# Altium PCB target_LED_ring_5050.PcbDoc
Units mm, origin at the board's own origin, x right, y up, seen from the top; angles counter-clockwise.
Board outline 100 x 100 mm, 2 copper layers (Top Layer, Bottom Layer); 77 components, 38 nets, 232 pads, 200 vias.
Unrouted connection lines stored in the file: 31.
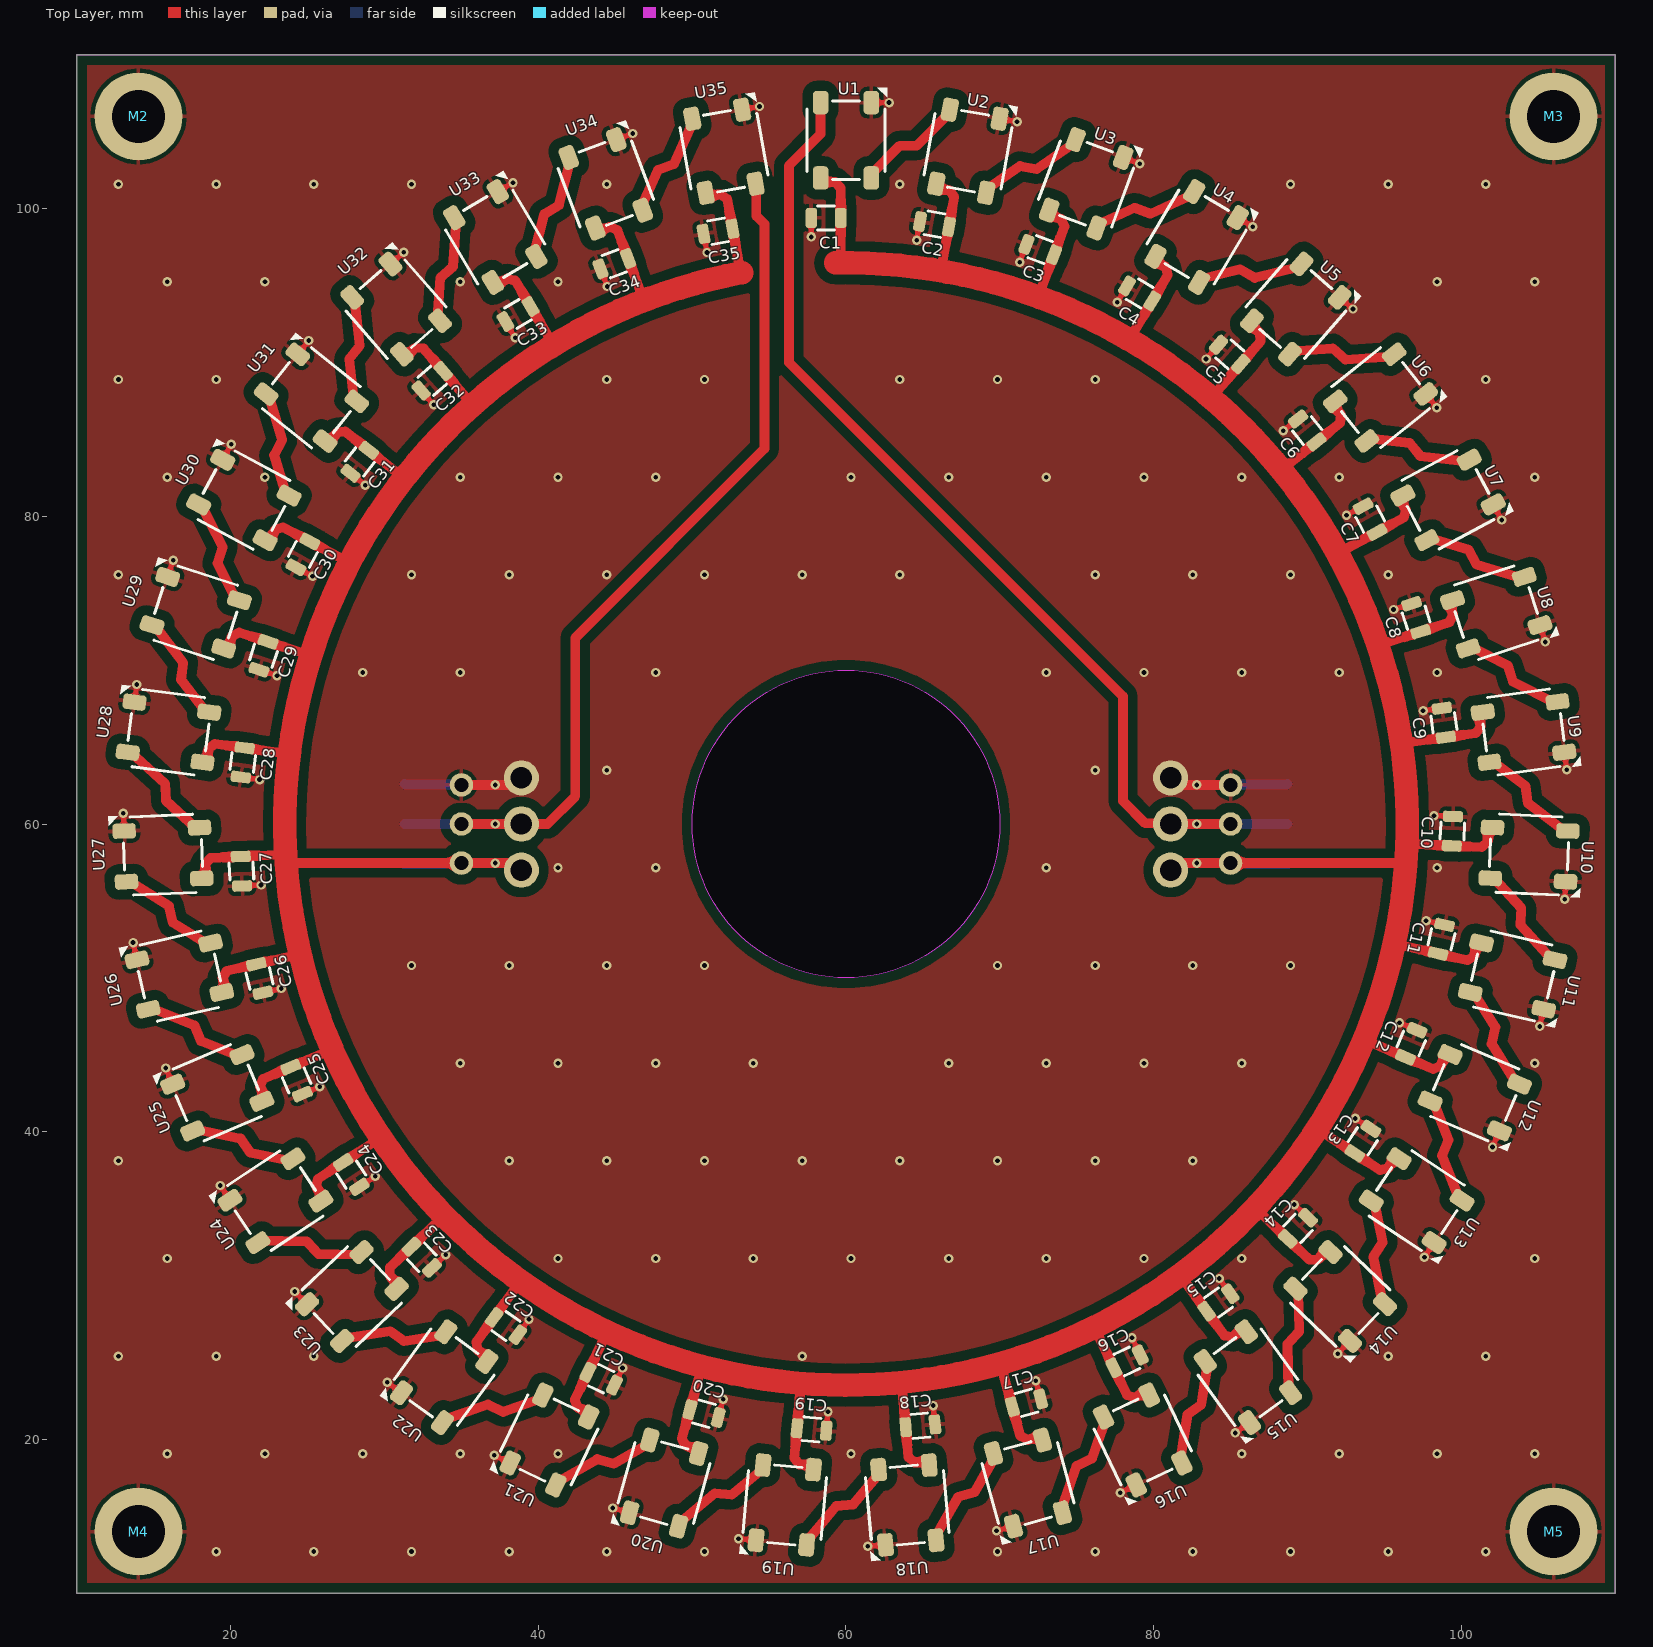
[diagram p0: Top Layer view]
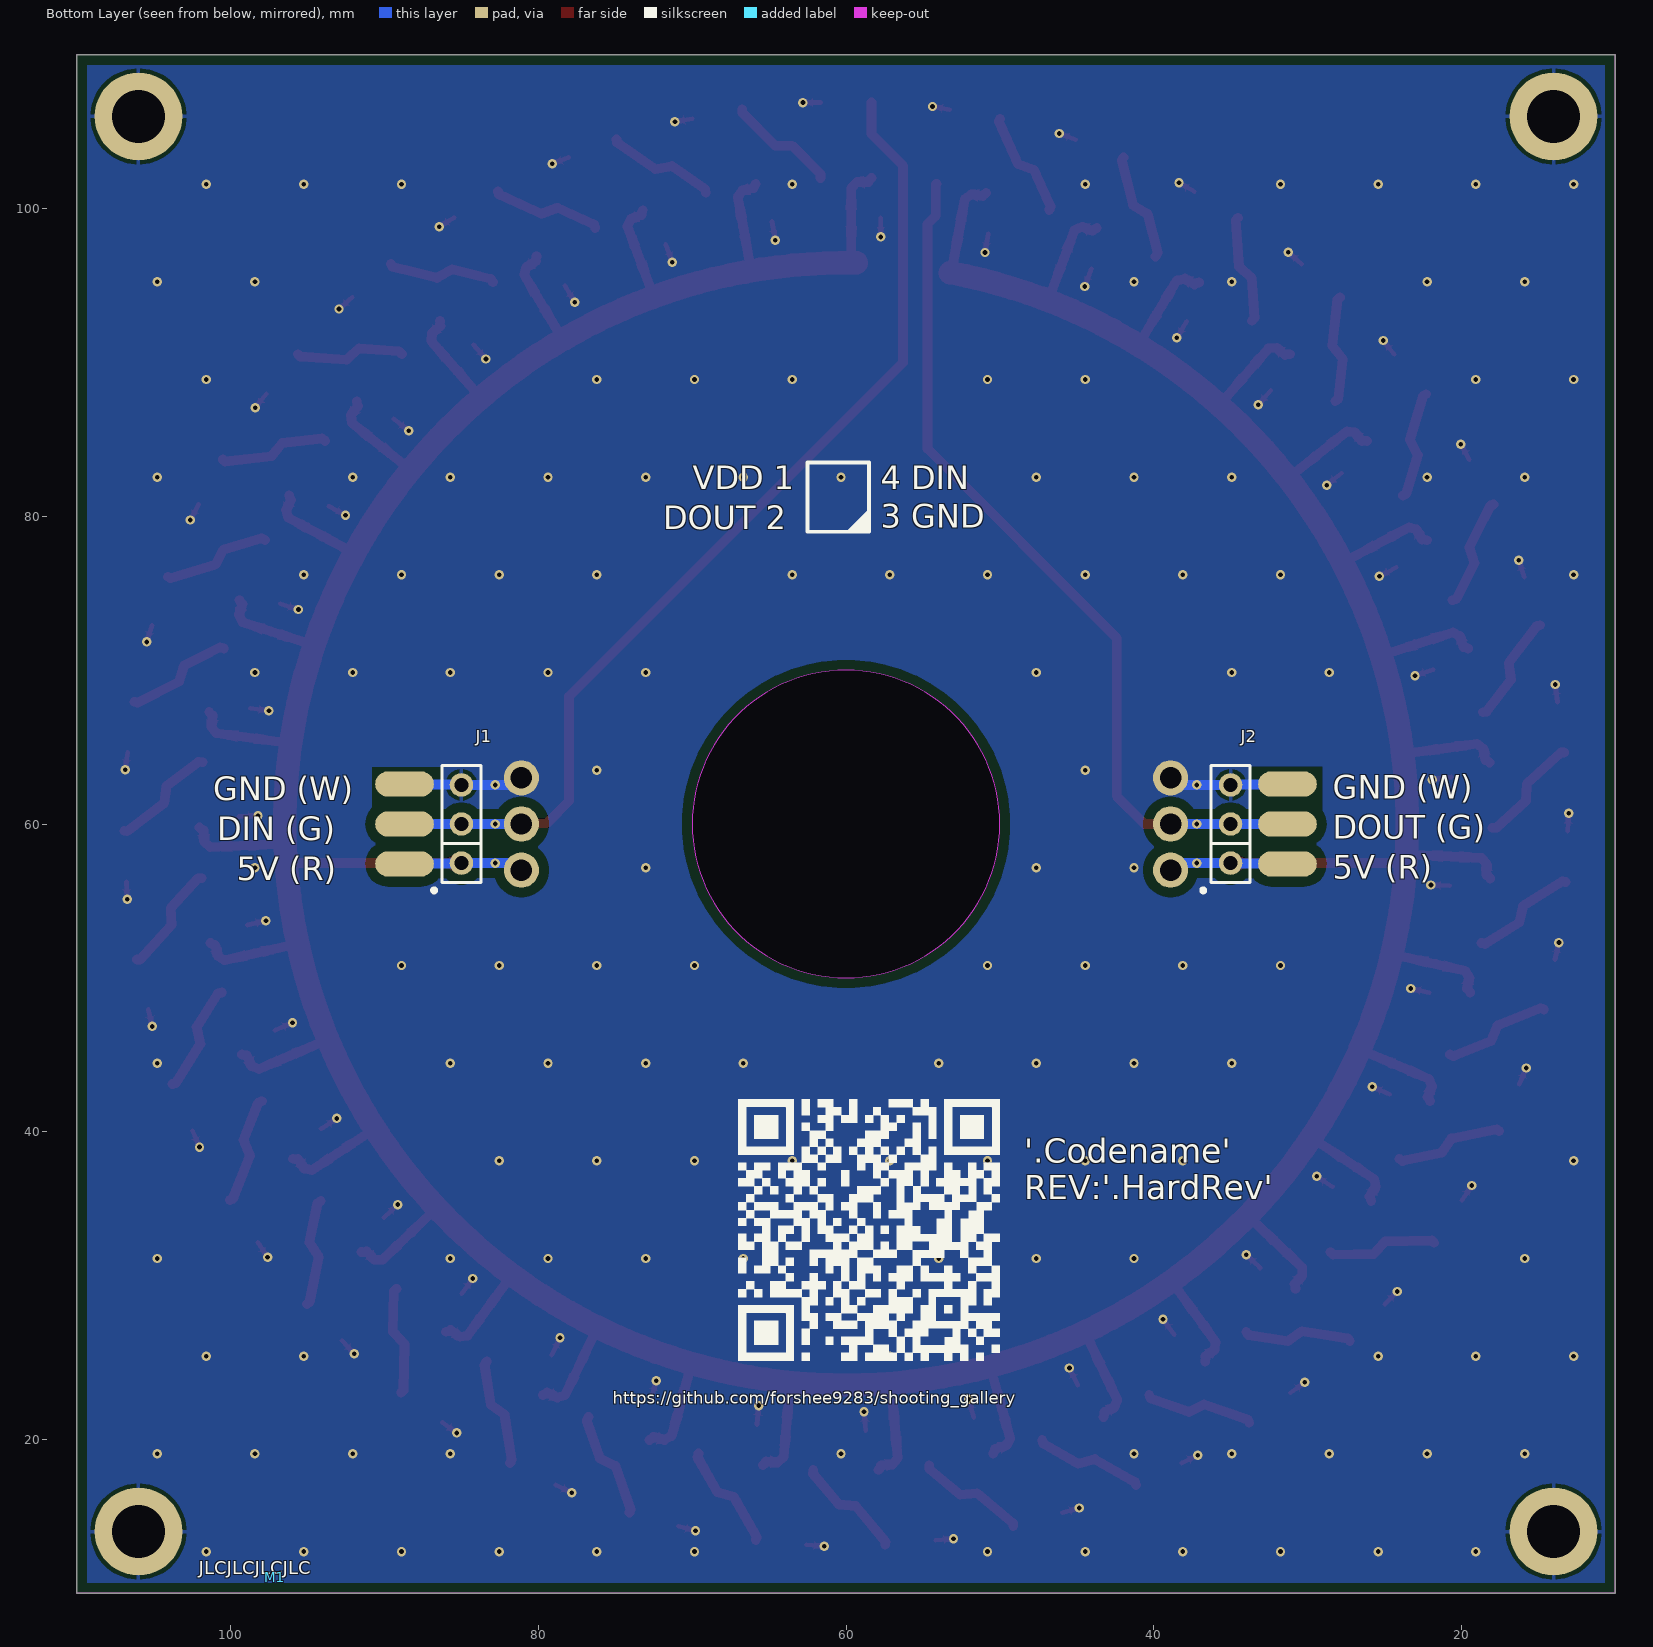
[diagram p1: Bottom Layer view, seen from below]
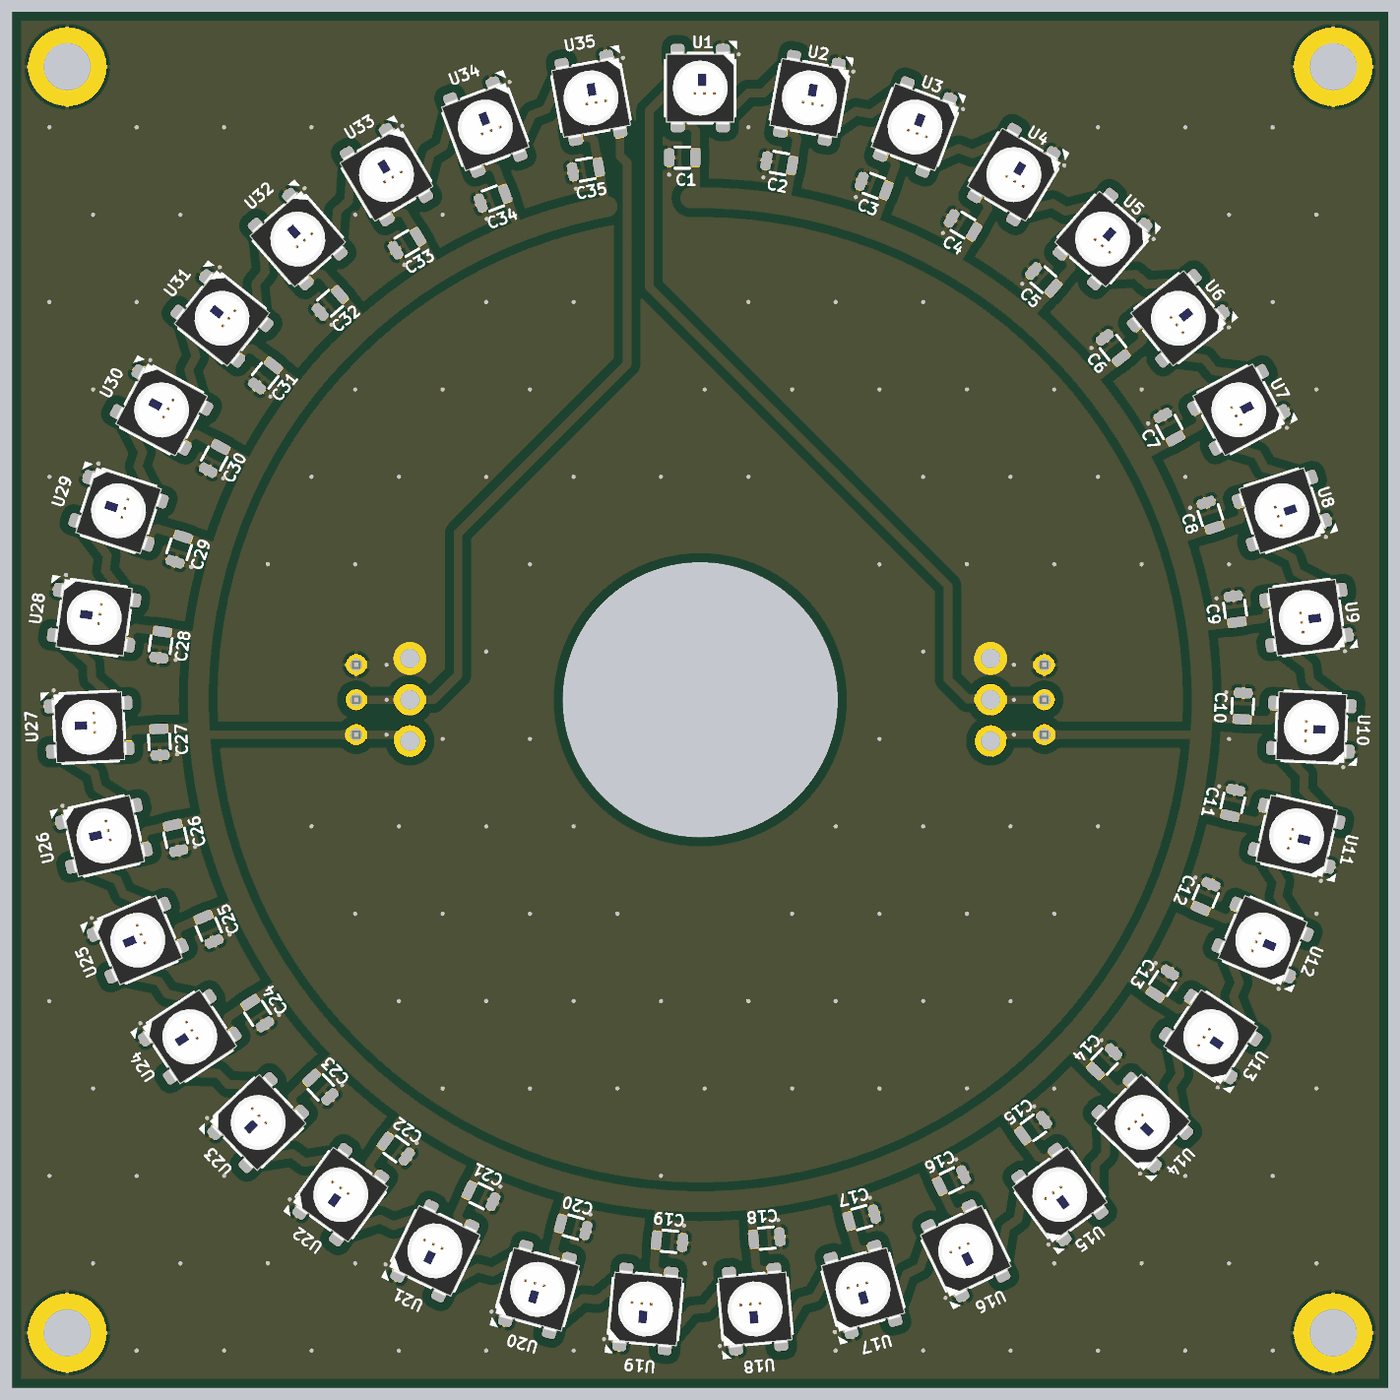
[diagram p2: 3D render of the assembled board from above, using the file's embedded part models]

## Layer stack, top to bottom
Top Solder: solder mask 0.0102, Solder Resist, Dk 3.5
Top Layer: signal copper 0.0356
Dielectric 1: dielectric 0.32, FR-4, Dk 4.8
Bottom Layer: signal copper 0.0356
Bottom Solder: solder mask 0.0102, Solder Resist, Dk 3.5

## Board outline
10,10 110,10 110,110 10,110
cut-out: 60,50 cw(c60,60) 50,60 cw(c60,60) 60,70 cw(c60,60) 70,60 cw(c60,60)

## Design rules (kind name [scope] priority, off if disabled: settings)
Clearance Clearance_Poly [InPolygon] p1: gap=0.635 ignorepadtopadclearanceinfootprint=FALSE
Clearance [All] p2: gap=0.254 ignorepadtopadclearanceinfootprint=FALSE except(0.2: Arc-SMDPad Track-SMDPad SMDPad-SMDPad)
HoleSize [All] p1: absolutevalues=TRUE maxlimit=2539.975 minlimit=0.025 maxpercent=80.000 minpercent=20.000
MinimumSolderMaskSliver [All] p1: minsoldermaskwidth=0.051
PolygonConnect PolygonConnect_Mount [IsPad and not InAnyComponent] p1: connectstyle=Direct reliefconductorwidth=0.254 reliefentries=4 polygonreliefangle="90 Angle" airgapwidth=0.254
PolygonConnect [All] p2: thpad.connectstyle=Relief thpad.reliefconductorwidth=0.254 thpad.reliefentries=4 thpad.polygonreliefangle="90 Angle" thpad.airgapwidth=0.254 smdpad.connectstyle=Relief smdpad.reliefconductorwidth=0.254 smdpad.reliefentries=4 smdpad.polygonreliefangle="90 Angle" smdpad.airgapwidth=0.254 via.connectstyle=Direct via.reliefconductorwidth=0.254 via.reliefentries=4 via.polygonreliefangle="90 Angle" via.airgapwidth=0.254
RoutingVias [All] p1: holewidth=0.711 width=1.27 viastyle="Through Hole" minholewidth=0.711 minwidth=1.27 maxholewidth=0.711 maxwidth=1.27
SilkToSilkClearance [All] p1: silktosilkclearance=0
SilkToSolderMaskClearance [IsPad] p1: minsilkscreentomaskgap=0.025 clearancetoexposedcopper=TRUE
SolderMaskExpansion [All] p1: expansion=0.051 istentingtop=FALSE
SupplyNets "Schematic Supply Nets_2" [InNet('5V')] p1: voltage=0.000
SupplyNets "Schematic Supply Nets" [InNet('GND')] p2: voltage=0.000
Width [All] p1: maxlimit=253.975 minlimit=0.254 preferedwidth=0.254
26 further rules are at their usual default settings.

## Components (designator, comment, footprint, x,y, rotation, side; value= is the part's Value field where it differs from the comment)
C1 "0.1µF" Chip0805 58.7,99.4 r0 top
C2 "0.1µF" Chip0805 65.749,99 r349.72 top
C3 "0.1µF" Chip0805 72.621,97.347 r339.44 top
C4 "0.1µF" Chip0805 79.087,94.493 r329.15 top
C5 "0.1µF" Chip0805 84.939,90.53 r318.87 top
C6 "0.1µF" Chip0805 89.99,85.586 r308.58 top
C7 "0.1µF" Chip0805 94.077,79.82 r298.29 top
C8 "0.1µF" Chip0805 97.068,73.417 r288.01 top
C9 "0.1µF" Chip0805 98.868,66.582 r277.72 top
C10 "0.1µF" Chip0805 99.419,59.536 r267.44 top
C11 "0.1µF" Chip0805 98.702,52.505 r257.15 top
C12 "0.1µF" Chip0805 96.742,45.715 r246.86 top
C13 "0.1µF" Chip0805 93.601,39.383 r236.58 top
C14 "0.1µF" Chip0805 89.379,33.715 r226.29 top
C15 "0.1µF" Chip0805 84.214,28.891 r216.01 top
C16 "0.1µF" Chip0805 78.27,25.068 r205.72 top
C17 "0.1µF" Chip0805 71.739,22.367 r195.43 top
C18 "0.1µF" Chip0805 64.83,20.876 r185.15 top
C19 "0.1µF" Chip0805 57.766,20.642 r174.86 top
C20 "0.1µF" Chip0805 50.774,21.673 r164.58 top
C21 "0.1µF" Chip0805 44.079,23.937 r154.29 top
C22 "0.1µF" Chip0805 37.895,27.359 r144 top
C23 "0.1µF" Chip0805 32.422,31.831 r133.72 top
C24 "0.1µF" Chip0805 27.835,37.208 r123.43 top
C25 "0.1µF" Chip0805 24.282,43.317 r113.15 top
C26 "0.1µF" Chip0805 21.878,49.963 r102.86 top
C27 "0.1µF" Chip0805 20.698,56.932 r92.57 top
C28 "0.1µF" Chip0805 20.782,63.999 r82.29 top
C29 "0.1µF" Chip0805 22.126,70.938 r72 top
C30 "0.1µF" Chip0805 24.688,77.525 r61.72 top
C31 "0.1µF" Chip0805 28.385,83.548 r51.43 top
C32 "0.1µF" Chip0805 33.098,88.815 r41.14 top
C33 "0.1µF" Chip0805 38.675,93.156 r30.86 top
C34 "0.1µF" Chip0805 44.938,96.431 r20.57 top
C35 "0.1µF" Chip0805 51.686,98.535 r10.29 top
J1 "3-644456-3" TE_3-644456-3 85,60 r90 bottom
J2 "3-644456-3" TE_3-644456-3 35,60 r90 bottom
M1 "JLC_NUMBER" JLC_NUMBER 97.122,11.016 r180 bottom
M2 "M3_HOLE" M3_HOLE 14,106 r0 top
M3 "M3_HOLE" M3_HOLE 106,106 r0 top
M4 "M3_HOLE" M3_HOLE 14,14 r0 top
M5 "M3_HOLE" M3_HOLE 106,14 r0 top
U1 "XL-5050RGBC-WS2812B-S" XINGLIGHT_XL-5050RGBC-WS2812B-S 60,104.45 r90 top
U2 "XL-5050RGBC-WS2812B-S" XINGLIGHT_XL-5050RGBC-WS2812B-S 67.929,103.737 r79.72 top
U3 "XL-5050RGBC-WS2812B-S" XINGLIGHT_XL-5050RGBC-WS2812B-S 75.612,101.618 r69.44 top
U4 "XL-5050RGBC-WS2812B-S" XINGLIGHT_XL-5050RGBC-WS2812B-S 82.792,98.162 r59.15 top
U5 "XL-5050RGBC-WS2812B-S" XINGLIGHT_XL-5050RGBC-WS2812B-S 89.24,93.479 r48.87 top
U6 "XL-5050RGBC-WS2812B-S" XINGLIGHT_XL-5050RGBC-WS2812B-S 94.748,87.719 r38.58 top
U7 "XL-5050RGBC-WS2812B-S" XINGLIGHT_XL-5050RGBC-WS2812B-S 99.139,81.069 r28.29 top
U8 "XL-5050RGBC-WS2812B-S" XINGLIGHT_XL-5050RGBC-WS2812B-S 102.273,73.742 r18.01 top
U9 "XL-5050RGBC-WS2812B-S" XINGLIGHT_XL-5050RGBC-WS2812B-S 104.047,65.973 r7.72 top
U10 "XL-5050RGBC-WS2812B-S" XINGLIGHT_XL-5050RGBC-WS2812B-S 104.405,58.012 r357.44 top
U11 "XL-5050RGBC-WS2812B-S" XINGLIGHT_XL-5050RGBC-WS2812B-S 103.337,50.114 r347.15 top
U12 "XL-5050RGBC-WS2812B-S" XINGLIGHT_XL-5050RGBC-WS2812B-S 100.875,42.535 r336.86 top
U13 "XL-5050RGBC-WS2812B-S" XINGLIGHT_XL-5050RGBC-WS2812B-S 97.1,35.517 r326.58 top
U14 "XL-5050RGBC-WS2812B-S" XINGLIGHT_XL-5050RGBC-WS2812B-S 92.132,29.286 r316.29 top
U15 "XL-5050RGBC-WS2812B-S" XINGLIGHT_XL-5050RGBC-WS2812B-S 86.131,24.042 r306.01 top
U16 "XL-5050RGBC-WS2812B-S" XINGLIGHT_XL-5050RGBC-WS2812B-S 79.29,19.954 r295.72 top
U17 "XL-5050RGBC-WS2812B-S" XINGLIGHT_XL-5050RGBC-WS2812B-S 71.829,17.153 r285.43 top
U18 "XL-5050RGBC-WS2812B-S" XINGLIGHT_XL-5050RGBC-WS2812B-S 63.988,15.729 r275.15 top
U19 "XL-5050RGBC-WS2812B-S" XINGLIGHT_XL-5050RGBC-WS2812B-S 56.019,15.729 r264.86 top
U20 "XL-5050RGBC-WS2812B-S" XINGLIGHT_XL-5050RGBC-WS2812B-S 48.178,17.151 r254.58 top
U21 "XL-5050RGBC-WS2812B-S" XINGLIGHT_XL-5050RGBC-WS2812B-S 40.717,19.95 r244.29 top
U22 "XL-5050RGBC-WS2812B-S" XINGLIGHT_XL-5050RGBC-WS2812B-S 33.875,24.037 r234 top
U23 "XL-5050RGBC-WS2812B-S" XINGLIGHT_XL-5050RGBC-WS2812B-S 27.874,29.28 r223.72 top
U24 "XL-5050RGBC-WS2812B-S" XINGLIGHT_XL-5050RGBC-WS2812B-S 22.905,35.51 r213.43 top
U25 "XL-5050RGBC-WS2812B-S" XINGLIGHT_XL-5050RGBC-WS2812B-S 19.128,42.528 r203.15 top
U26 "XL-5050RGBC-WS2812B-S" XINGLIGHT_XL-5050RGBC-WS2812B-S 16.665,50.107 r192.86 top
U27 "XL-5050RGBC-WS2812B-S" XINGLIGHT_XL-5050RGBC-WS2812B-S 15.595,58.004 r182.57 top
U28 "XL-5050RGBC-WS2812B-S" XINGLIGHT_XL-5050RGBC-WS2812B-S 15.952,65.965 r172.29 top
U29 "XL-5050RGBC-WS2812B-S" XINGLIGHT_XL-5050RGBC-WS2812B-S 17.725,73.734 r162 top
U30 "XL-5050RGBC-WS2812B-S" XINGLIGHT_XL-5050RGBC-WS2812B-S 20.857,81.062 r151.72 top
U31 "XL-5050RGBC-WS2812B-S" XINGLIGHT_XL-5050RGBC-WS2812B-S 25.247,87.713 r141.43 top
U32 "XL-5050RGBC-WS2812B-S" XINGLIGHT_XL-5050RGBC-WS2812B-S 30.754,93.473 r131.14 top
U33 "XL-5050RGBC-WS2812B-S" XINGLIGHT_XL-5050RGBC-WS2812B-S 37.201,98.158 r120.86 top
U34 "XL-5050RGBC-WS2812B-S" XINGLIGHT_XL-5050RGBC-WS2812B-S 44.381,101.615 r110.57 top
U35 "XL-5050RGBC-WS2812B-S" XINGLIGHT_XL-5050RGBC-WS2812B-S 52.063,103.736 r100.29 top

## Footprints (in the part's own frame and the unit in brackets; to place one, negate y for a bottom-side part, rotate by r counter-clockwise, add the part's x,y. Pads: shape width x height; smd on the part's side, far side on the other; paste and mask are expansions set on the pad)
Chip0805 [mm] "Chip Resistor, 2-Leads, Body 2.05x1.25mm, IPC Medium Density"
  rrect50% 0.75x1.3 smd: 1(-0.955,0) 2(0.955,0)
  silkscreen extent -0.55,-0.77 0.55,0.77, body extent -0.95,-0.55 0.95,0.55, height 0.5
JLC_NUMBER [mm]
M3_HOLE [mil]
  round 225 hole 135: 1(0,0)
TE_3-644456-3 [mil]
  round 60 hole 35: 1(-100,0) 2(0,0) 3(100,0)
  silkscreen extent -175,-50 150,75, body extent -144,-46 144,46, height 395
XINGLIGHT_XL-5050RGBC-WS2812B-S [mm]
  rrect50% 1.524x1.016 smd: 1(-2.45,1.65) 2(-2.45,-1.65) 3(2.45,-1.65) 4(2.45,1.65)
  silkscreen extent -2.54,-2.67 3.43,2.54, body extent -2.7,-2.5 2.7,2.5, height 1.59

## Part data
C1 C2 C3 C4 C5 C6 C7 C8 C9 C10 C11 C12 C13 C14 C15 C16 C17 C18 C19 C20 C21 C22 C23 C24 C25 C26 C27 C28 C29 C30 C31 C32 C33 C34 C35: library part C2012X7T2E104K125AA, "CAP CER 0.1UF 250V 10% X7T 0805", Manufacturer="TDK Corporation", Operating Temperature="-55°C ~ 125°C", Package / Case="0805 (2012 Metric)", Ratings=-, Supplier Part Number 1=445-7749-1-ND, Temperature Coefficient=X7T, Tolerance=±10%, Voltage=250V, Applications="General Purpose", Capacitance=0.1µF, Features=-, Height - Seated (Max)=-, HelpURL=http://product.tdk.com/capacitor/mlcc/en/documents/mlcc_commercial_midvoltage_en.pdf, Lead Spacing=-, Lead Style=-, Manufacturer Part Number=C2012X7T2E104K125AA, Mounting Type="Surface Mount, MLCC", PartNumber=C2012X7T2E104K125AA, Series=C, Size / Dimension="0.079\" L x 0.049\" W (2.00mm x 1.25mm)", Supplier 1=Digi-Key, Supplier 2=Mouser, Thickness (Max)="0.057\" (1.45mm)"
J1 J2: "CONN HEADER VERT 3POS .100 TIN", Manufacturer="TE Connectivity", Supplier Part Number 1=A31113-ND, HelpURL=http://www.te.com/commerce/DocumentDelivery/DDEController?Action=srchrtrv&DocNm=644456&DocType=Customer+Drawing&DocLang=English, Manufacturer Part Number=3-644456-3, PartNumber=3-644456-3, Supplier 1=Digi-Key, Supplier 2=Mouser, Supplier Part Number 2=571-3-644456-3
M1: "JLC Order Number Location", Manufacturer Part Number=JLC_NUMBER, PartNumber=JLC_NUMBER
U1 U2 U3 U4 U5 U6 U7 U8 U9 U10 U11 U12 U13 U14 U15 U16 U17 U18 U19 U20 U21 U22 U23 U24 U25 U26 U27 U28 U29 U30 U31 U32 U33 U34 U35: "Addressable RGB LED", Manufacturer=XINGLIGHT, Datasheets=https://www.lcsc.com/datasheet/lcsc_datasheet_2406131538_XINGLIGHT-XL-5050RGBC-WS2812B-S_C22461793.pdf, Manufacturer Part Number=XL-5050RGBC-WS2812B-S, PartNumber=XL-5050RGBC-WS2812B-S, Supplier 1=Digi-Key, Supplier 2=Mouser, Supplier 3=LCSC, Supplier Part Number 3=C22461793
M2 M3 M4 M5: Manufacturer Part Number=M3_HOLE, PartNumber=M3_HOLE

## Free pads (board coordinates)
  round 2.286 hole 1.397: 27(38.9,57) 27(38.9,60) 27(38.9,63) 27(81.1,57) 27(81.1,60) 27(81.1,63)
  oval 3.81x1.651 smd far side: 28(31.3,57.4) 28(31.3,60) 28(31.3,62.6) 28(88.7,57.4) 28(88.7,60) 28(88.7,62.6)

## Via types
v1: diameter 0.61, hole 0.305, Top Layer to Bottom Layer, tented both sides, 200 vias

## Nets (pads, with @x,y where several pads share a name; then routed paths per layer and width w, separated by ;. In a path a pad name is that pad's centre, name@x,y a point inside that pad or via, vN(x,y) a via of type N, cw(c..) or ccw(c..) an arc to the next point about the centre after c; other vN are vias at no path point)
5V: C1.2 C2.2 C3.2 C4.2 C5.2 C6.2 C7.2 C8.2 C9.2 C10.2 C11.2 C12.2 C13.2 C14.2 C15.2 C16.2 C17.2 C18.2 C19.2 C20.2 C21.2 C22.2 C23.2 C24.2 C25.2 C26.2 C27.2 C28.2 C29.2 C30.2 C31.2 C32.2 C33.2 C34.2 C35.2 J1.1 J2.1 pad.27@38.9,57 pad.27@81.1,57 pad.28@31.3,57.4 pad.28@88.7,57.4 U1.1 U2.1 U3.1 U4.1 U5.1 U6.1 U7.1 U8.1 U9.1 U10.1 U11.1 U12.1 U13.1 U14.1 U15.1 U16.1 U17.1 U18.1 U19.1 U20.1 U21.1 U22.1 U23.1 U24.1 U25.1 U26.1 U27.1 U28.1 U29.1 U30.1 U31.1 U32.1 U33.1 U34.1 U35.1 | length 486
  Top Layer w0.635: U27.1 18.298,56.664 18.373,56.668 18.34,57.409 18.694,57.798 C27.2 23.241,58.002 ; U28.1 18.373,64.164 18.447,64.154 18.546,64.89 18.965,65.209 C28.2 23.475,64.598 ; U26.1 19.564,49.272 19.637,49.288 19.472,50.012 19.751,50.458 C26.2 24.189,51.471 ; U29.1 19.785,71.53 19.856,71.507 20.086,72.213 20.555,72.452 C29.2 24.883,71.046 ; U25.1 22.13,42.224 22.198,42.253 21.906,42.936 22.102,43.424 C25.2 26.287,45.213 ; U30.1 22.491,78.526 22.556,78.49 22.908,79.144 23.412,79.296 C30.2 27.42,77.139 ; 23.606,57.494 23.639,57.46 J2.1 ; U24.1 25.912,35.747 25.975,35.788 25.566,36.408 25.671,36.923 C24.2 29.469,39.431 ; U31.1 26.401,84.926 26.46,84.879 26.923,85.46 27.446,85.519 28.98,84.295 31.004,82.681 ; U23.1 30.791,30.05 30.845,30.102 30.332,30.638 30.343,31.164 C23.2 33.633,34.31 ; U32.1 31.392,90.525 31.441,90.468 32.001,90.957 32.525,90.922 C32.2 35.52,87.494 ; J2.1@34.97,57.43 J2.1 ; U22.1 36.608,25.316 36.652,25.376 36.051,25.813 35.969,26.332 C22.2 38.644,30.015 ; U33.1 37.303,95.142 37.341,95.078 37.978,95.459 38.488,95.331 C33.2 40.823,91.424 ; pad.27@38.9,57 38.453,57 37.993,57.46 J2.1 ; U21.1 43.177,21.696 43.21,21.764 42.541,22.086 42.367,22.582 C21.2 44.341,26.683 ; U34.1 43.942,98.631 43.969,98.561 44.664,98.821 45.143,98.604 C34.2 46.742,94.343 ; U20.1 50.287,19.308 50.307,19.38 49.591,19.578 49.332,20.035 C20.2 50.542,24.423 ; U35.1 51.098,100.877 51.112,100.803 51.842,100.936 52.275,100.636 C35.2 53.087,96.158 ; 57.047,23.305 C19.2 56.639,18.772 56.977,18.369 57.716,18.302 57.709,18.228 U19.1 ; U1.1 58.54,101.81 58.54,101.735 59.283,101.735 59.655,101.363 C1.2 59.655,96.812 59.317,96.474 ; 63.647,23.368 C18.2 64.055,18.835 64.459,18.498 65.198,18.565 65.205,18.49 U18.1 ; U2.1 66.022,101.399 66.009,101.326 66.74,101.193 67.039,100.761 C2.2 66.227,96.283 ; 70.129,24.608 C17.2 71.34,20.221 71.798,19.961 72.514,20.159 72.534,20.087 U17.1 ; 72.606,94.588 C3.2 74.204,98.849 73.987,99.328 73.292,99.589 73.318,99.659 U3.1 ; 76.286,26.985 C16.2 78.261,22.885 78.758,22.711 79.427,23.033 79.459,22.966 U16.1 ; 78.579,91.781 C4.2 80.913,95.688 80.784,96.198 80.147,96.579 80.185,96.643 U4.1 ; pad.27@81.1,57 81.547,57 82.007,57.46 J1.1 ; 81.919,30.424 C15.2 84.595,26.742 85.115,26.66 85.715,27.096 85.759,27.036 U15.1 ; 83.956,87.952 C5.2 86.95,91.38 86.914,91.905 86.355,92.394 86.404,92.45 U5.1 ; J1.1@85.03,57.43 J1.1 ; 86.848,34.813 C14.2 90.138,31.668 90.664,31.68 91.177,32.217 91.231,32.165 U14.1 ; 88.562,83.226 90.585,84.84 92.12,86.064 92.179,86.587 91.716,87.167 91.774,87.214 U6.1 ; 90.914,40.012 C13.2 94.713,37.505 95.228,37.611 95.637,38.231 95.7,38.189 U13.1 ; 92.25,77.752 C7.2 96.258,79.91 96.409,80.413 96.057,81.067 96.123,81.103 U7.1 ; 93.987,45.853 C12.2 98.172,44.065 98.66,44.261 98.952,44.944 99.02,44.915 U12.1 ; 94.902,71.708 C8.2 99.23,73.115 99.469,73.584 99.239,74.29 99.31,74.313 U8.1 ; 95.966,52.149 C11.2 100.404,51.137 100.849,51.417 101.014,52.141 101.087,52.125 U11.1 ; 96.387,57.394 96.321,57.46 J1.1 ; 96.431,65.288 C9.2 100.941,65.9 101.26,66.318 101.16,67.054 101.234,67.064 U9.1 ; 96.79,58.698 C10.2 101.337,58.494 101.725,58.849 101.758,59.591 101.833,59.588 U10.1
  Top Layer w1.524: 53.216,95.844 ccw(c60,60) 23.606,57.494 ccw(c60,60) 96.387,57.394 ccw(c60,60) 59.317,96.474
  Bottom Layer w0.635: pad.28@31.3,57.4 31.33,57.43 34.97,57.43 J2.1 37.993,57.46 38.453,57 pad.27@38.9,57 ; pad.27@81.1,57 81.547,57 82.007,57.46 J1.1 85.03,57.43 88.67,57.43 pad.28@88.7,57.4
  other v1: 37.2,57.46 82.8,57.46
A: U7.2 U8.4 | length 7.2
  Top Layer w0.635: U7.2 97.988,78.575 100.488,77.825 101.014,76.848 103.909,75.979 U8.4@104.09,76.076
B: U14.2 U15.4 | length 7.2
  Top Layer w0.635: U15.4@88.912,23.035 88.764,23.176 88.696,26.198 89.463,27 89.404,29.61 U14.2
C: U21.2 U22.4 | length 7.2
  Top Layer w0.635: U22.4@33.777,21.081 33.866,21.265 36.719,22.264 37.719,21.782 40.183,22.645 U21.2
D: U28.2 U29.4 | length 7.2
  Top Layer w0.635: U29.4@14.883,72.914 15.086,72.887 16.917,70.482 16.768,69.382 18.35,67.305 U28.2
DIN: J1.2 pad.27@81.1,60 pad.28@88.7,60 U1.4 | length 70.5
  Top Layer w0.635: U1.4 58.35,104.85 56.3,102.8 56.3,90 78,68.3 78,61.5 79.453,60.047 81.053,60.047 81.1,60 v1(82.8,60) J1.2
  Bottom Layer w0.635: pad.27@81.1,60 v1(82.8,60) J1.2 pad.28@88.7,60
DOUT: J2.2 pad.27@38.9,60 pad.28@31.3,60 U35.2 | length 60.9
  Top Layer w0.635: J2.2 v1(37.2,60) 40.6,60 42.4,61.8 42.4,72.1 54.7,84.4 54.7,99 54.169,99.531 54.169,101.574 U35.2
  Bottom Layer w0.635: pad.28@31.3,60 J2.2 v1(37.2,60) pad.27@38.9,60
GND: C1.1 C2.1 C3.1 C4.1 C5.1 C6.1 C7.1 C8.1 C9.1 C10.1 C11.1 C12.1 C13.1 C14.1 C15.1 C16.1 C17.1 C18.1 C19.1 C20.1 C21.1 C22.1 C23.1 C24.1 C25.1 C26.1 C27.1 C28.1 C29.1 C30.1 C31.1 C32.1 C33.1 C34.1 C35.1 J1.3 J2.3 M2.1 M3.1 M4.1 M5.1 pad.27@38.9,63 pad.27@81.1,63 pad.28@31.3,62.6 pad.28@88.7,62.6 U1.3 U2.3 U3.3 U4.3 U5.3 U6.3 U7.3 U8.3 U9.3 U10.3 U11.3 U12.3 U13.3 U14.3 U15.3 U16.3 U17.3 U18.3 U19.3 U20.3 U21.3 U22.3 U23.3 U24.3 U25.3 U26.3 U27.3 U28.3 U29.3 U30.3 U31.3 U32.3 U33.3 U34.3 U35.3 | length 107.4
  Top Layer w0.305: v1(13.022,60.691) U27.3 ; v1(13.653,52.291) U26.3 ; U28.3 v1(13.9,69.068) ; v1(15.775,44.139) U25.3 ; U29.3 v1(16.26,77.154) ; v1(19.317,36.497) U24.3 ; U30.3 v1(20.026,84.689) ; C28.1 v1(21.877,62.887) ; C27.1 v1(21.974,56.033) ; C29.1 v1(23.005,69.648) ; C26.1 v1(23.294,49.307) ; v1(24.168,29.611) U23.3 ; C30.1 v1(25.323,76.099) ; U31.3 v1(25.077,91.43) ; C25.1 v1(25.793,42.925) ; C31.1 v1(28.755,82.032) ; C24.1 v1(29.392,37.091) ; v1(30.17,23.701) U22.3 ; U32.3 v1(31.251,97.161) ; C32.1 v1(33.191,87.257) ; C23.1 v1(33.974,31.994) ; v1(37.131,18.958) U21.3 ; U33.3 v1(38.348,101.697) ; C33.1 v1(38.489,91.606) ; C22.1 v1(39.393,27.797) ; C34.1 v1(44.478,94.939) ; v1(44.827,15.534) U20.3 ; C21.1 v1(45.475,24.635) ; U34.3 v1(46.142,104.893) ; C35.1 v1(50.966,97.149) ; C20.1 v1(52.023,22.609) ; v1(53.011,13.539) U19.3 ; U35.3 v1(54.38,106.646) ; v1(57.745,98.165) C1.1 ; C19.1 v1(58.828,21.786) ; v1(61.42,13.038) U18.3 ; U1.3 v1(62.8,106.9) ; v1(64.59,97.956) C2.1 ; v1(65.67,22.191) C18.1 ; v1(69.782,14.046) U17.3 ; U2.3 v1(71.122,105.648) ; v1(71.293,96.526) C3.1 ; v1(72.331,23.811) C17.1 ; v1(77.634,93.922) C4.1 ; v1(77.831,16.531) U16.3 ; U3.3 v1(79.094,102.929) ; v1(78.594,26.594) C16.1 ; v1(83.408,90.229) C5.1 ; v1(84.261,30.451) C15.1 ; v1(85.306,20.414) U15.3 ; U4.3 v1(86.452,98.829) ; v1(88.429,85.563) C6.1 ; v1(89.147,35.258) C14.1 ; v1(91.968,25.569) U14.3 ; U5.3 v1(92.961,93.482) ; v1(92.537,80.076) C7.1 ; v1(93.096,40.861) C13.1 ; v1(95.599,73.943) C8.1 ; v1(95.982,47.078) C12.1 ; v1(97.516,67.363) C9.1 ; v1(97.602,31.83) U13.3 ; U6.3 v1(98.41,87.058) ; v1(97.711,53.711) C11.1 ; v1(98.228,60.545) C10.1 ; v1(102.028,38.997) U12.3 ; U7.3 v1(102.624,79.765) ; v1(105.103,46.84) U11.3 ; U8.3 v1(105.468,71.836) ; U9.3 v1(106.851,63.527) ; v1(106.728,55.105) U10.3
  Top Layer w0.635: J2.3@34.97,62.57 J2.3 37.993,62.54 38.453,63 pad.27@38.9,63 ; pad.27@81.1,63 81.547,63 82.007,62.54 J1.3 J1.3@85.03,62.57
  Bottom Layer w0.635: pad.28@31.3,62.6 31.33,62.57 34.97,62.57 J2.3 37.993,62.54 38.453,63 pad.27@38.9,63 ; pad.27@81.1,63 81.547,63 82.007,62.54 J1.3 85.03,62.57 88.67,62.57 pad.28@88.7,62.6
  other v1: 19.05,12.7 25.4,12.7 31.75,12.7 38.1,12.7 44.45,12.7 50.8,12.7 69.85,12.7 76.2,12.7 82.55,12.7 88.9,12.7 95.25,12.7 101.6,12.7 15.875,19.05 22.225,19.05 28.575,19.05 34.925,19.05 41.275,19.05 60.325,19.05 85.725,19.05 92.075,19.05 98.425,19.05 104.775,19.05 12.7,25.4 19.05,25.4 25.4,25.4 57.15,25.4 95.25,25.4 101.6,25.4 15.875,31.75 41.275,31.75 47.625,31.75 53.975,31.75 60.325,31.75 66.675,31.75 73.025,31.75 79.375,31.75 85.725,31.75 104.775,31.75 12.7,38.1 38.1,38.1 44.45,38.1 50.8,38.1 57.15,38.1 63.5,38.1 69.85,38.1 76.2,38.1 82.55,38.1 34.925,44.45 41.275,44.45 47.625,44.45 53.975,44.45 66.675,44.45 73.025,44.45 79.375,44.45 85.725,44.45 104.775,44.45 31.75,50.8 38.1,50.8 44.45,50.8 50.8,50.8 69.85,50.8 76.2,50.8 82.55,50.8 88.9,50.8 41.275,57.15 47.625,57.15 73.025,57.15 98.425,57.15 37.2,62.54 82.8,62.54 44.45,63.5 76.2,63.5 28.575,69.85 34.925,69.85 47.625,69.85 73.025,69.85 79.375,69.85 85.725,69.85 92.075,69.85 98.425,69.85 12.7,76.2 31.75,76.2 38.1,76.2 44.45,76.2 50.8,76.2 57.15,76.2 63.5,76.2 76.2,76.2 82.55,76.2 88.9,76.2 95.25,76.2 15.875,82.55 22.225,82.55 34.925,82.55 41.275,82.55 47.625,82.55 60.325,82.55 66.675,82.55 73.025,82.55 79.375,82.55 85.725,82.55 92.075,82.55 104.775,82.55 12.7,88.9 19.05,88.9 44.45,88.9 50.8,88.9 63.5,88.9 69.85,88.9 76.2,88.9 101.6,88.9 15.875,95.25 22.225,95.25 34.925,95.25 41.275,95.25 98.425,95.25 104.775,95.25 12.7,101.6 19.05,101.6 25.4,101.6 31.75,101.6 44.45,101.6 63.5,101.6 88.9,101.6 95.25,101.6 101.6,101.6
NetU1_2: U1.2 U2.4 | length 7.2
  Top Layer w0.635: U1.2 61.65,102.254 63.496,104.1 64.606,104.1 66.743,106.237 U2.4
NetU2_2: U2.2 U3.4 | length 7.2
  Top Layer w0.635: U2.2 69.161,101.282 71.307,102.769 72.399,102.571 74.883,104.293 U3.4@74.92,104.494
NetU3_2: U3.2 U4.4 | length 7.2
  Top Layer w0.635: U3.2 76.385,98.983 78.762,100.063 79.801,99.673 82.553,100.924 U4.4@82.625,101.115
NetU4_2: U4.2 U5.4 | length 7.2
  Top Layer w0.635: U4.2@82.953,95.212 83.083,95.43 85.614,96.069 86.567,95.5 89.498,96.239 U5.4@89.603,96.414
NetU5_2: U5.2 U6.4 | length 7.2
  Top Layer w0.635: U5.2 89.038,90.739 91.643,90.915 92.479,90.185 95.495,90.389 U6.4@95.629,90.543
NetU6_2: U6.2 U7.4 | length 7.2
  Top Layer w0.635: U6.2 94.061,85.06 96.655,84.768 97.347,83.901 100.351,83.563 U7.4@100.51,83.69
NetU8_2: U8.2 U9.4 | length 7.2
  Top Layer w0.635: U8.2 100.694,71.494 103.02,70.309 103.363,69.254 106.057,67.882 U9.4@106.252,67.945
NetU9_2: U9.2 U10.4 | length 7.2
  Top Layer w0.635: U9.2 102.093,64.042 104.17,62.461 104.319,61.362 106.724,59.531 U10.4@106.927,59.558
NetU10_2: U10.2 U11.4 | length 7.2
  Top Layer w0.635: U10.2 102.138,56.461 103.899,54.535 103.85,53.426 105.889,51.195 U11.4@106.094,51.186
NetU11_2: U11.2 U12.4 | length 7.2
  Top Layer w0.635: U11.2 100.829,48.994 102.218,46.784 101.971,45.702 103.58,43.143 U12.4@103.779,43.097
NetU12_2: U12.2 U13.4 | length 7.2
  Top Layer w0.635: U12.2 98.207,41.88 99.18,39.458 98.744,38.437 99.869,35.632 U13.4@100.058,35.552
NetU13_2: U13.2 U14.4 | length 7.2
  Top Layer w0.635: U13.2 94.358,35.349 94.882,32.792 94.271,31.866 94.877,28.904 U14.4@95.048,28.792
NetU15_2: U15.2 U16.4 | length 7.2
  Top Layer w0.635: U16.4@81.847,18.466 81.727,18.632 82.199,21.618 83.097,22.27 83.505,24.848 U15.2
NetU16_2: U16.2 U17.4 | length 7.2
  Top Layer w0.635: U17.4@74.08,15.233 73.991,15.417 74.989,18.271 75.989,18.752 76.851,21.216 U16.2
NetU17_2: U17.2 U18.4 | length 7.2
  Top Layer w0.635: U18.4@65.86,13.438 65.805,13.636 67.297,16.265 68.366,16.56 69.654,18.831 U17.2
NetU18_2: U18.2 U19.4 | length 7.2
  Top Layer w0.635: U19.4@57.451,13.14 57.433,13.344 59.37,15.665 60.475,15.764 62.148,17.768 U18.2
NetU19_2: U19.2 U20.4 | length 7.2
  Top Layer w0.635: U20.4@49.125,14.348 49.143,14.552 51.464,16.49 52.569,16.39 54.573,18.064 U19.2
NetU20_2: U20.2 U21.4 | length 7.2
  Top Layer w0.635: U21.4@41.148,17.024 41.203,17.221 43.832,18.713 44.901,18.418 47.172,19.707 U20.2
NetU22_2: U22.2 U23.4 | length 7.2
  Top Layer w0.635: U23.4@27.249,26.389 27.369,26.554 30.355,27.027 31.253,26.375 33.831,26.784 U22.2
NetU23_2: U23.2 U24.4 | length 7.2
  Top Layer w0.635: U24.4@21.774,32.777 21.922,32.918 24.944,32.851 25.711,32.049 28.321,31.99 U23.2
NetU24_2: U24.2 U25.4 | length 7.2
  Top Layer w0.635: U25.4@17.527,40.04 17.698,40.153 20.659,39.547 21.271,38.621 23.828,38.097 U24.2
NetU25_2: U25.2 U26.4 | length 7.2
  Top Layer w0.635: U26.4@14.646,47.945 14.834,48.025 17.639,46.9 18.076,45.88 20.499,44.908 U25.2
NetU26_2: U26.2 U27.4 | length 7.2
  Top Layer w0.635: U27.4@13.222,56.237 13.422,56.283 15.981,54.675 16.228,53.593 18.439,52.204 U26.2
NetU27_2: U27.2 U28.4 | length 7.2
  Top Layer w0.635: U28.4@13.302,64.65 13.506,64.66 15.738,62.62 15.787,61.512 17.715,59.751 U27.2
NetU29_2: U29.2 U30.4 | length 7.2
  Top Layer w0.635: U30.4@17.914,80.763 18.109,80.7 19.481,78.006 19.138,76.951 20.323,74.625 U29.2
NetU30_2: U30.2 U31.4 | length 7.2
  Top Layer w0.635: U31.4@22.298,87.944 22.478,87.847 23.347,84.952 22.822,83.975 23.573,81.475 U30.2
NetU31_2: U31.2 U32.4 | length 7.2
  Top Layer w0.635: U32.4@27.893,94.227 28.053,94.1 28.392,91.096 27.7,90.228 27.993,87.634 U31.2
NetU32_2: U32.2 U33.4 | length 7.2
  Top Layer w0.635: U32.2 33.441,92.905 33.617,95.51 34.452,96.24 34.656,99.256 U33.4@34.521,99.41
NetU33_2: U33.2 U34.4 | length 7.2
  Top Layer w0.635: U33.2 39.744,97.119 40.382,99.65 41.334,100.219 42.073,103.151 U34.4@41.968,103.326
NetU34_2: U34.2 U35.4 | length 7.2
  Top Layer w0.635: U34.2 46.697,100.139 47.777,102.516 48.816,102.906 50.066,105.658 U35.4@49.994,105.85

## Polygon pours and split planes (outlines as drawn)
GND on Bottom Layer "GND_L02_P001" (solid, remove dead copper, pour order 1): 10,110 110,110 110,10 10,10
GND on Top Layer "GND_L01_P000" (solid, remove dead copper, pour order 0): 10,110 110,110 110,10 10,10

## Keep-outs
Keep-Out Layer:
  the board outline again, w0.05

## Other copper
Bottom Layer:
  pour cut-out: 33.7,63.73 29.03,63.73 29.03,60.83 33.7,60.83
  pour cut-out: 90.8,63.7 86.3,63.7 86.3,60.8 90.8,60.8

## Silkscreen, mask and mechanical layers (free items; w line width, h text height)
Bottom Overlay:
  drawing of 95 lines, arcs and shapes, not listed
  text "4 DIN" at 57.746,81.754 h1.52
  text "VDD 1" at 69.956,81.754 h1.52
  text "3 GND" at 57.746,79.254 h1.52
  text "DOUT 2" at 71.887,79.154 h1.52
  text "GND (W)" at 28.346,61.654 h1.52
  text "GND (W)" at 101.122,61.554 h1.52
  text "DOUT (G)" at 28.346,59.054 h1.52
  text "DIN (G)" at 100.869,58.954 h1.52
  text "5V (R)" at 28.346,56.454 h1.52
  text "5V (R)" at 99.599,56.354 h1.52
  text "'.Codename'  / REV:'.HardRev'" at 48.4,35.6 h1.57
  text "https://github.com/forshee9283/shooting_gallery" at 75.148,22.315 h0.79
Bottom Solder:
  text "é" at 57.598,70.16 h16.51 r30
  text "é" at 63,70 h16.51
  text "é" at 52.84,67.598 h16.51 r60
  text "é" at 67.598,67.16 h16.51 r330
  text "é" at 50,63 h16.51 r90
  text "é" at 70.16,62.402 h16.51 r300
  text "é" at 49.84,57.598 h16.51 r120
  text "é" at 70,57 h16.51 r270
  text "é" at 52.402,52.84 h16.51 r150
  text "é" at 67.16,52.402 h16.51 r240
  text "é" at 57,50 h16.51 r180
  text "é" at 62.402,49.84 h16.51 r210
Mechanical 1:
  circle w0.05: c60,60 r10
  lines w0.05: 10,10 10,110 110,110 110,10 10,10
Mechanical 13:
  lines w0.05: 59.492,60 60.508,60 ; 60,59.492 60,60.508

## Text inside footprints (layer, text, board x,y; h text height)
M1: Bottom Overlay "JLCJLCJLCJLC" at 102.079,11.216 h0.85